# Altium PCB CL-HC-M-V2.1gerber.PcbDoc (part 14 of 18) (continued)
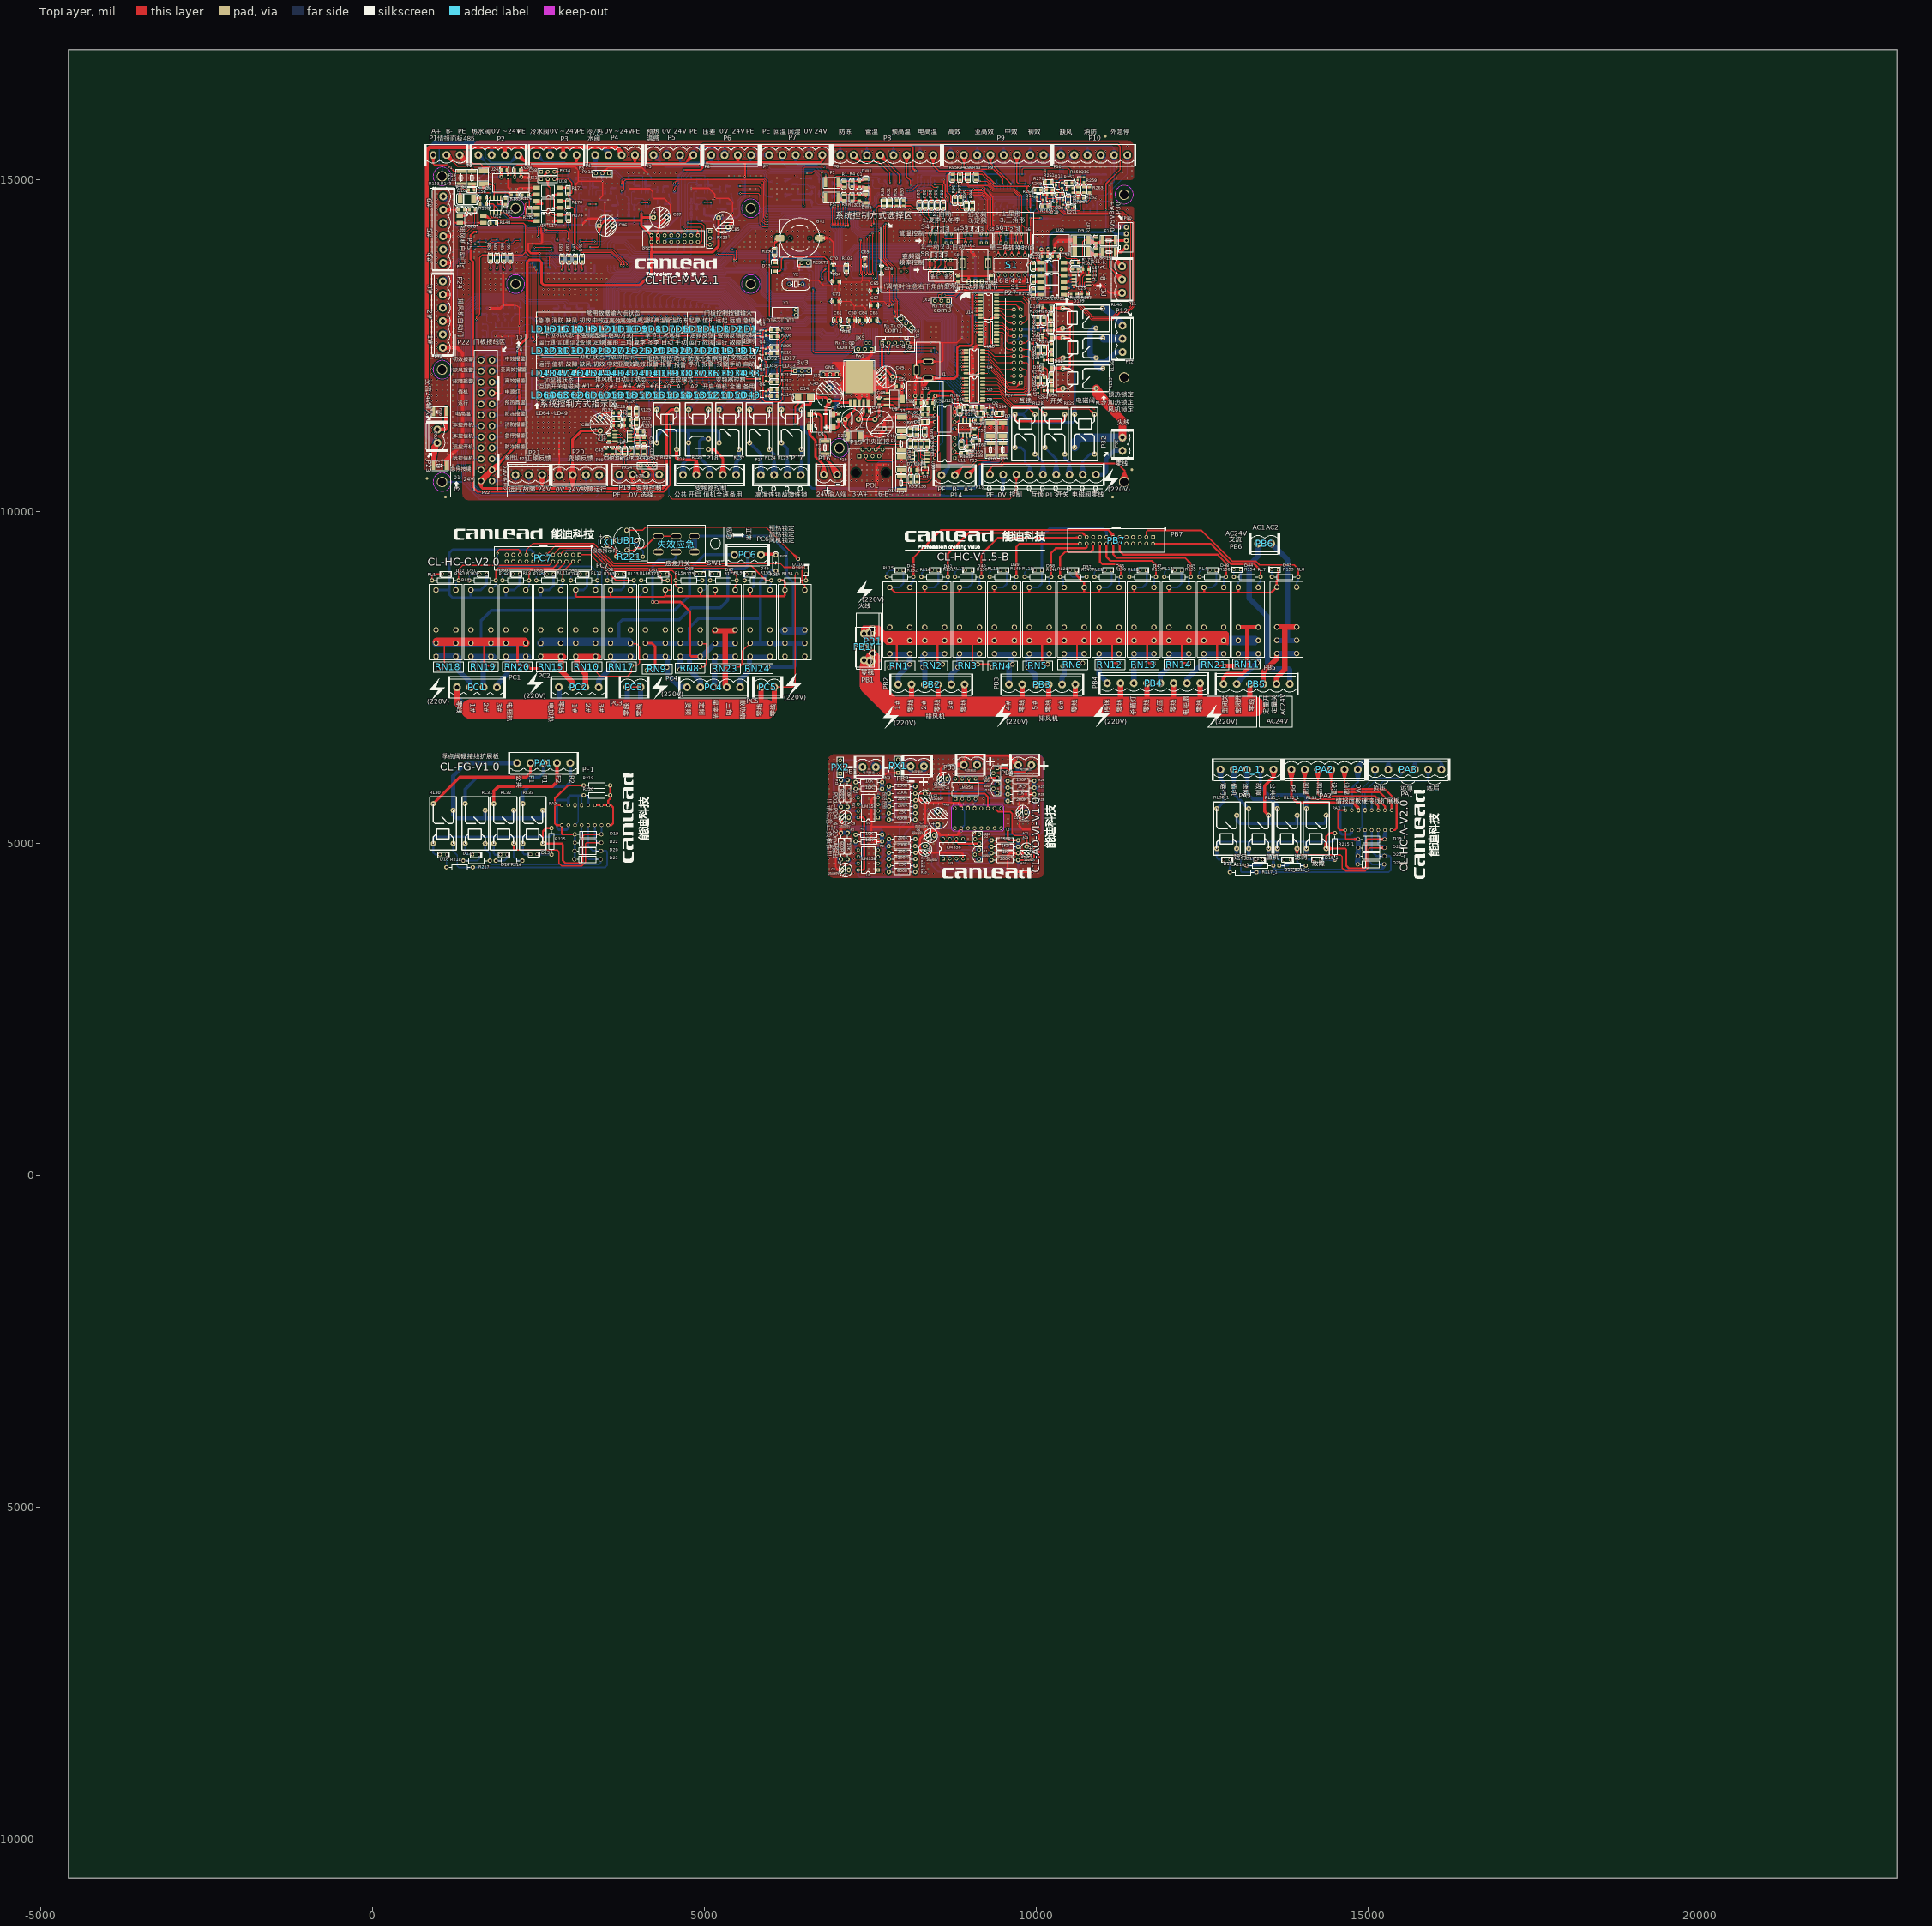
[diagram p0: TopLayer view]
## Nets (pads, with @x,y where several pads share a name; then routed paths per layer and width w, separated by ;. In a path a pad name is that pad's centre, name@x,y a point inside that pad or via, vN(x,y) a via of type N, cw(c..) or ccw(c..) an arc to the next point about the centre after c; other vN are vias at no path point) (continued)
  BottomLayer w25: Q4.3@9418.14,5989.36 9468.14,5989.36 ; Q4.3@9421.2,5972.13 9468.14,5989.36 ; Q4.3@9421.2,6006.59 9468.14,5989.36 ; R26.2@9567.02,5919.72 9518.14,5939.36 ; R26.2@9567.02,5958.99 9518.14,5939.36 ; 9468.14,5989.36 9518.14,5939.36 ; 9518.14,5939.36 R26.2@9570.82,5939.36 9518.14,5939.36
NetQ5_2: Q5.2 R212.1 | length 118.7
  TopLayer w20: Q5.2@5928.65,11963.05 5960.85,11963.05 ; Q5.2@5929.63,11963.05 5960.85,11963.05 ; R212.1@6011.13,11950.98 5972.91,11950.98 5960.85,11963.05
NetQ6_2: Q6.2 R214.1 | length 314.9
  TopLayer w20: Q6.2@5928.65,11738.05 5930.72,11735.98 6006.13,11735.98 Q6.2@5929.63,11738.05 ; Q6.2@5931.13,11735.98 R214.1@6011.13,11735.98 Q6.2@5931.15,11738.01
NetQ13_1: Q13.1 R260.2 | length 5867.6
  TopLayer w10: R260.2@10020.87,12000.53 9973.38,12015.36 ; R260.2@10020.87,12030.19 9973.38,12015.36 ; R260.2@10023.13,12015.36 9973.38,12015.36 ; R260.2@10028.13,12015.36 9973.38,12015.36 ; Q13.1@10286,14910.91 10298.61,14864.89 Q13.1@10311.21,14910.91 ; Q13.1@10298.61,14912.6 10298.61,14855.09 10358.67,14795.02 10358.67,14589.59 10429.91,14518.36 11306.07,14518.36 11469.08,14355.35 11469.08,13087.33 11380.26,12998.5 11269.72,12998.5 11164.72,12893.5 10831.19,12893.5 10590.33,13134.36 10068.66,13134.36 9966.38,13032.07 9966.38,12022.36 9973.38,12015.36
NetQ13_2: Q13.2 R257.2 R261.1 | length 809.3
  TopLayer w15: R261.1@10224.57,14966.99 10344.92,14966.99 10347.18,14964.73 ; R261.1@10225.78,14954.55 10289.57,14966.99 R261.1@10225.78,14979.43 ; Q13.2@10388.52,14865.11 10357.95,14875.2 ; Q13.2@10388.52,14885.29 10357.95,14875.2 ; Q13.2@10390.14,14875.2 10357.95,14875.2 ; Q13.2@10391.12,14875.2 10357.95,14875.2 ; R257.2@10527.02,14958.04 10539.2,14982.76 ; R257.2@10539.2,14950.21 10539.2,14982.76 ; R257.2@10539.2,14955.21 10539.2,14982.76 ; R257.2@10551.37,14958.04 10539.2,14982.76 ; 10347.18,14964.73 10347.18,14973.34 10371.48,14997.64 10524.31,14997.64 10539.2,14982.76 ; 10347.18,14964.73 10347.18,14885.98 10357.95,14875.2
NetQ13_3: Q13.3 Q15.1 R257.1 | length 1422.2
  TopLayer w15: R257.1@10441.77,14943.86 10454.94,14880.2 ; Q15.1@10444.75,14842.7 10454.94,14904.58 Q15.1@10465.12,14842.7 ; R257.1@10451.84,14957.48 Q13.3@10392.95,14939.82 ; R257.1@10451.92,14942.91 Q13.3@10392.95,14960.19 ; R257.1@10452.9,14962.64 Q13.3@10392.11,14950.01 ; R257.1@10452.92,14962.64 Q13.3@10391.13,14950.01 ; R257.1@10453.94,14967.7 Q13.3@10392.95,14960.19 ; R257.1@10454.02,14932.71 Q13.3@10392.95,14939.82 ; R257.1@10454.2,14955.21 Q13.3@10392.95,14960.19 ; Q15.1@10454.94,14841.87 10454.94,14949.46 R257.1@10454.2,14950.21 ; R257.1@10466.65,14944.15 10454.94,14880.2 ; Q13.3@10391.13,14950.01 R257.1@10454,14950.01 ; Q13.3@10391.13,14950.01 10453,14937.76 Q13.3@10392.11,14950.01 ; Q13.3@10391.13,14950.01 R257.1@10454.2,14950.21 ; Q13.3@10392.11,14950.01 R257.1@10454,14950.01 ; Q13.3@10392.11,14950.01 R257.1@10454.2,14950.21 ; Q13.3@10392.95,14939.82 R257.1@10454,14950.01 ; Q13.3@10392.95,14939.82 10454.2,14945.21 10454.94,14880.2 ; Q13.3@10392.95,14960.19 R257.1@10454,14950.01 ; R257.1@10454,14950.01 R257.1@10454.2,14950.21
NetQ15_2: Q15.2 R258.2 R262.1 | length 1838.1
  TopLayer w15: Q15.2@10547.46,14804.47 R258.2@10627.16,14804.47 10627.16,14719.97 R262.1@10625.95,14718.75 ; Q15.2@10547.57,14794.29 R258.2@10610.69,14794.03 ; Q15.2@10547.57,14814.65 R258.2@10610.69,14814.91 ; Q15.2@10550.94,14794.56 R258.2@10610.69,14814.91 ; Q15.2@10550.94,14814.37 R258.2@10610.69,14794.03 ; R262.1@10613.45,14723.31 R258.2@10617.35,14789.76 ; R262.1@10613.53,14725.19 R258.2@10627.16,14788.77 ; R262.1@10613.87,14726.97 R258.2@10636.76,14788.67 ; R258.2@10614.72,14803.26 10627.16,14739.47 R258.2@10639.6,14803.26 ; R258.2@10620.96,14792.02 Q15.2@10557.16,14804.47 ; R258.2@10620.96,14816.91 Q15.2@10557.16,14804.47 ; R258.2@10622.16,14804.47 Q15.2@10557.16,14804.47 ; R262.1@10638.14,14726.52 R258.2@10617.35,14789.76 ; R262.1@10638.42,14722.88 R258.2@10636.76,14788.67 ; R262.1@10638.41,14724.72 R258.2@10627.16,14788.77 ; Q15.2@10548.44,14804.47 R258.2@10611.16,14804.47 ; Q15.2@10548.44,14804.47 R258.2@10610.69,14814.91 ; Q15.2@10548.44,14804.47 R258.2@10611.16,14804.47 ; Q15.2@10548.44,14804.47 R258.2@10610.69,14794.03 ; R258.2@10611.16,14804.47 10549.27,14814.65 R258.2@10611.16,14804.47 ; R258.2@10611.16,14804.47 10549.27,14794.28 R258.2@10611.16,14804.47 ; R258.2@10617.35,14789.76 R262.1@10625.95,14723.75 ; R262.1@10625.95,14723.75 R258.2@10627.16,14788.77 ; R262.1@10625.95,14723.75 R258.2@10636.76,14788.67
NetQ15_3: Q15.3 Q16.1 R258.1 | length 697.4
  TopLayer w15: Q15.3@10547.46,14879.27 10581.1,14879.27 ; Q15.3@10548.44,14879.27 10581.1,14879.27 ; Q15.3@10550.04,14869.18 10581.1,14879.27 ; Q15.3@10550.04,14889.36 10581.1,14879.27 ; R258.1@10614.68,14890.23 10624.86,14954.56 ; Q16.1@10614.68,14997.68 10624.86,14935.79 Q16.1@10635.05,14997.68 ; R258.1@10618.46,14877.52 10593.59,14891.76 ; R258.1@10620.42,14901.84 10593.59,14891.76 ; R258.1@10622.16,14889.47 10593.59,14891.76 ; Q16.1@10624.86,14998.51 R258.1@10624.86,14891.76 ; R258.1@10639.55,14891.1 10624.86,14954.56 ; 10581.1,14879.27 10593.59,14891.76 ; 10593.59,14891.76 R258.1@10624.86,14891.76 ; R258.1@10624.86,14891.76 R258.1@10627.16,14889.47 10624.86,14954.56
NetQ16_2: Q16.2 R259.2 R263.1 | length 1771
  TopLayer w15: R259.2@10704.94,14891.55 10717.38,14955.35 R259.2@10729.83,14891.55 ; Q16.2@10706.21,14961.91 R259.2@10706.4,14899.04 ; Q16.2@10707.2,14960.27 10717.38,14898.39 Q16.2@10727.57,14960.27 ; Q16.2@10708.45,14958.67 R259.2@10728.37,14899.04 ; Q16.2@10716.4,14961.11 R259.2@10706.4,14899.04 ; Q16.2@10717.38,14961.11 R259.2@10717.38,14890.35 10803.5,14890.35 R263.1@10804.7,14891.55 ; Q16.2@10718.37,14961.11 R259.2@10728.37,14899.04 ; R259.2@10722.38,14890.35 R263.1@10787.38,14890.35 ; R259.2@10723.58,14877.91 R263.1@10787.38,14890.35 ; R259.2@10723.58,14902.79 R263.1@10787.38,14890.35 ; Q16.2@10726.32,14958.67 R259.2@10706.4,14899.04 ; Q16.2@10728.55,14961.91 R259.2@10728.37,14899.04 ; R263.1@10796.36,14903.59 R259.2@10735.11,14880.16 ; R263.1@10796.8,14879.39 R259.2@10734.39,14900.69 ; R263.1@10800.25,14904.03 R259.2@10734.39,14900.69 ; R263.1@10800.68,14879.08 R259.2@10735.11,14880.16 ; R259.2@10734.39,14900.69 R263.1@10799.7,14891.55 ; R259.2@10734.65,14890.35 10798.72,14879.08 R259.2@10734.68,14890.35 ; R259.2@10734.65,14890.35 10798.27,14903.96 R259.2@10734.68,14890.35 ; R259.2@10734.65,14890.35 R263.1@10799.7,14891.55 ; R259.2@10734.68,14890.35 R263.1@10799.7,14891.55 ; R259.2@10735.11,14880.16 R263.1@10799.7,14891.55
NetQ17_2: Q17.2 R260.1 R275.2 | length 1793
  TopLayer w15: R260.1@10010.64,11929.95 Q17.2@10018.96,11865.74 ; R260.1@10015.69,11929.16 10028.13,11865.36 R260.1@10040.58,11929.16 ; Q17.2@10017.95,11859.59 10028.13,11921.48 Q17.2@10038.32,11859.59 ; R260.1@10020.79,11928.35 Q17.2@10037.3,11865.74 ; R260.1@10023.13,11930.36 Q17.2@10018.96,11865.74 ; Q17.2@10028.13,11858.76 R260.1@10028.13,11930.36 R275.2@10120.65,11930.36 ; R260.1@10032.53,11917.87 R275.2@10099.11,11920.91 ; R260.1@10032.53,11942.84 R275.2@10099.11,11939.81 ; R260.1@10035.47,11928.35 Q17.2@10018.96,11865.74 ; R260.1@10036.06,11918.2 R275.2@10099.11,11939.81 ; R260.1@10036.06,11942.51 R275.2@10099.11,11920.91 ; R260.1@10045.63,11929.95 Q17.2@10037.3,11865.74 ; R275.2@10114.45,11917.92 R260.1@10050.65,11930.36 ; R275.2@10114.45,11942.8 R260.1@10050.65,11930.36 ; R275.2@10115.65,11930.36 R260.1@10050.65,11930.36 ; R260.1@10033.13,11930.36 Q17.2@10037.3,11865.74 ; R260.1@10033.13,11930.36 R275.2@10098.13,11930.36 ; R260.1@10033.13,11930.36 R275.2@10099.11,11920.91 ; R260.1@10033.13,11930.36 R275.2@10099.11,11939.81 ; R260.1@10033.13,11930.36 R275.2@10098.13,11930.36 ; R275.2@10098.13,11930.36 10034.33,11942.8 R275.2@10098.13,11930.36 ; R275.2@10098.13,11930.36 10034.33,11917.92 R275.2@10098.13,11930.36
NetQ18_1: Q18.1 R283.1 | length 5418.5
  TopLayer w10: Q18.1@9998,14732.87 10010.61,14686.85 Q18.1@10023.21,14732.87 ; R283.1@10009.25,12924.07 10024.08,12971.82 R283.1@10038.91,12924.07 ; Q18.1@10010.61,14734.56 10010.61,14560.57 10044.79,14526.39 10210.52,14526.39 10265.26,14581.13 10310.57,14581.13 10413.34,14478.36 11289.51,14478.36 11429.08,14338.78 11429.08,13098.24 11373.35,13042.5 11253.44,13042.5 11141.39,12930.45 10866.58,12930.45 10622.68,13174.36 v1@10024.08,13174.36 ; v1@10016.61,13035.7 10024.08,12993.86 ; R283.1@10024.08,12921.82 v1(10024.08,13036.36) 10024.08,12993.86 ; v1(10024.08,13174.06) 10066.58,13174.36 ; v1@10024.69,13181.54 10066.58,13174.36 ; v1@10024.79,13166.6 10066.58,13174.36 ; v1@10031.55,13035.7 10024.08,12993.86
  BottomLayer w10: v1@10016.61,13037.02 10024.08,13078.86 v1@10031.55,13037.02 ; v1@10016.61,13173.4 10024.08,13131.56 v1@10031.55,13173.4 ; v1(10024.08,13036.36) v1(10024.08,13174.06)
NetQ18_2: Q18.2 R265.2 R269.1 | length 737.3
  TopLayer w15: R269.1@10069.14,14847.28 10066.93,14845.07 10066.93,14708.31 ; R265.2@10076.98,14606.63 10089.33,14645.64 ; R265.2@10089.33,14599.72 10089.33,14645.64 ; R265.2@10089.33,14604.72 10089.33,14645.64 ; Q18.2@10093,14695.78 10103.13,14659.43 ; Q18.2@10097.74,14687.94 10066.93,14708.31 ; R265.2@10101.68,14606.63 10089.33,14645.64 ; Q18.2@10103.85,14707.23 10066.93,14708.31 ; Q18.2@10113.25,14695.78 10103.13,14659.43 ; 10066.93,14708.31 10078.07,14697.16 ; 10066.93,14708.31 Q18.2@10102.14,14697.16 ; 10078.07,14697.16 Q18.2@10103.13,14697.16 10103.13,14659.43 ; 10078.07,14697.16 10099.97,14687.18 10078.07,14697.16 ; 10078.07,14697.16 10099.97,14707.15 10078.07,14697.16 ; 10078.07,14697.16 Q18.2@10102.14,14697.16 ; 10078.07,14697.16 Q18.2@10102.14,14697.16 ; 10089.33,14645.64 10103.13,14659.43
NetQ18_3: Q18.3 Q19.3 Q20.1 R265.1 R266.1 | length 1827.2
  TopLayer w15: Q18.3@10103.13,14771.97 10103.3,14772.13 Q19.3@10167.99,14772.13 10167.99,14730.63 ; Q18.3@10103.28,14782.15 Q19.3@10166.25,14782.17 ; Q18.3@10103.33,14761.78 Q19.3@10166.29,14762.09 ; Q18.3@10104.92,14782.15 Q19.3@10166.83,14772.13 ; Q18.3@10104.97,14761.79 Q19.3@10166.83,14772.13 ; Q18.3@10106.53,14781.89 Q19.3@10166.29,14762.09 ; Q18.3@10106.58,14762.05 Q19.3@10166.25,14782.17 ; Q19.3@10157.86,14769.86 10167.99,14730.63 ; R265.1@10161.83,14604.7 10167.99,14670.41 ; Q19.3@10167.16,14761.95 10105.27,14772.13 Q19.3@10167.16,14782.31 ; Q19.3@10167.99,14771.15 10167.99,14730.63 ; R265.1@10174.33,14599.72 10167.99,14606.06 10167.99,14730.63 ; R265.1@10174.33,14604.72 10167.99,14670.41 ; Q19.3@10178.13,14769.86 10167.99,14730.63 ; R265.1@10186.6,14607.09 10167.99,14670.41 ; Q20.1@10299.25,14660.74 10312.37,14722.44 ; R266.1@10300,14764.96 10312.37,14723.1 ; Q20.1@10309.38,14659.43 10312.37,14722.44 ; Q20.1@10312.37,14663.4 10312.37,14723.1 ; R266.1@10312.37,14766.75 10312.37,14723.1 ; R266.1@10312.37,14771.75 10312.37,14723.1 ; Q20.1@10319.59,14659.78 10312.37,14722.44 ; R266.1@10324.74,14764.96 10312.37,14723.1 ; Q18.3@10104.11,14771.97 Q19.3@10166.83,14772.13 ; Q18.3@10104.11,14771.97 Q19.3@10166.29,14762.09 ; Q18.3@10104.11,14771.97 Q19.3@10166.25,14782.17 ; 10167.99,14730.63 10175.91,14722.71 10311.98,14722.71 10312.37,14723.1
NetQ19_1: Q19.1 R268.1 | length 5976.4
  TopLayer w10: v1@9931.14,12524.73 9938.38,12566.62 ; v1@9938.38,12524.12 9938.38,13032.36 10060.38,13154.36 10608.85,13154.36 10850.76,12912.45 11158.22,12912.45 11262.27,13016.5 11372.8,13016.5 11449.08,13092.78 11449.08,14347.06 11297.79,14498.36 10421.63,14498.36 10318.85,14601.13 10227.49,14601.13 10209.33,14619.29 10209.33,14675.68 Q19.1@10205.39,14679.61 ; v1(9938.62,12524.12) 9938.38,12566.62 ; v1@9946.08,12524.82 9938.38,12566.62 ; R268.1@10013.31,12477.68 v1(10028.13,12524.12) ; v1@10020.66,12523.45 R268.1@10028.13,12481.62 ; v1@10020.82,12525.77 R268.1@10015.02,12483.04 ; v1@10021.21,12521.22 10041.24,12483.04 v1@10035.45,12525.77 ; R268.1@10028.13,12475.37 v1(10028.13,12524.12) ; v1@10035.05,12521.22 R268.1@10015.02,12483.04 ; v1@10035.6,12523.45 R268.1@10028.13,12481.62 ; R268.1@10042.95,12477.68 v1(10028.13,12524.12) ; Q19.1@10192.97,14675.92 10209.33,14630.66 ; Q19.1@10205.39,14678.63 10209.33,14630.66 ; Q19.1@10218.09,14677.98 10209.33,14630.66 ; R268.1@10015.02,12483.04 v1(10028.13,12524.12) ; R268.1@10028.13,12481.62 v1(10028.13,12524.12)
  BottomLayer w10: v1(9938.62,12524.12) v1(10028.13,12524.12) 9985.63,12524.12 ; v1@9939.28,12516.64 9981.12,12524.12 v1@9939.28,12531.59 ; v1@10027.47,12516.64 9985.63,12524.12 ; v1@10027.47,12531.59 9985.63,12524.12
NetQ19_2: Q19.2 R266.2 R270.1 | length 2122.5
  TopLayer w15: R270.1@10231.09,14841.08 Q19.2@10243.54,14777.28 ; Q19.2@10240.76,14781.16 v1(10214.84,14770.68) ; Q19.2@10241.1,14761.07 v1(10214.84,14770.68) ; Q19.2@10242.8,14771.15 v1(10214.84,14770.68) ; R270.1@10243.54,14842.28 Q19.2@10243.54,14777.28 ; R270.1@10243.54,14847.28 10243.54,14772.87 Q19.2@10242.8,14772.13 10241.35,14770.68 v1(10214.84,14770.68) ; R270.1@10250.45,14823.27 v1(10214.84,14770.68) ; Q19.2@10252.7,14775.64 R270.1@10232.22,14835.29 ; Q19.2@10252.95,14771.99 R270.1@10254.8,14835.04 ; R270.1@10255.98,14841.08 Q19.2@10243.54,14777.28 ; v1(10214.84,14770.68) 10241.91,14826.64 v1(10214.84,14770.68) ; v1(10214.84,14770.68) Q19.2@10232.62,14774.07 ; v1(10214.84,14770.68) 10232.62,14772.22 R270.1@10232.22,14835.29 ; v1(10214.84,14770.68) R270.1@10232.22,14835.29 ; v1(10214.84,14770.68) Q19.2@10232.62,14774.07 ; v1(10214.84,14770.68) 10232.96,14775.87 R270.1@10254.8,14835.04 ; R270.1@10232.22,14835.29 Q19.2@10242.8,14773.12 ; Q19.2@10232.62,14774.07 R270.1@10243.54,14835.84 ; Q19.2@10232.62,14774.07 R270.1@10243.54,14835.84 ; Q19.2@10242.8,14773.12 R270.1@10243.54,14835.84 ; Q19.2@10242.8,14773.12 R270.1@10243.54,14835.84 ; Q19.2@10242.8,14773.12 R270.1@10254.8,14835.04 ; R270.1@10243.54,14835.84 10252.99,14773.83 R270.1@10243.54,14835.84 ; v1(10385.9,14827.51) 10397.37,14816.04 ; v1(10385.9,14827.51) R266.2@10397.37,14771.75 10397.37,14816.04 ; v1(10385.9,14827.51) 10385.03,14778.73 10397.37,14816.04 ; v1(10385.9,14827.51) 10397.37,14776.75 10397.37,14816.04 ; v1(10385.9,14827.51) 10409.71,14778.73 10397.37,14816.04
  BottomLayer w15: v1(10214.84,14770.68) 10374.56,14770.68 10385.9,14782.03 ; 10385.9,14782.03 v1(10385.9,14827.51) 10385.9,14782.03
NetQ20_2: Q20.2 R267.2 R271.1 | length 665.9
  TopLayer w15: Q20.2@10400.92,14622.03 10484.94,14622.03 10485.16,14622.25 ; Q20.2@10401.9,14622.03 10464.62,14622.03 ; Q20.2@10402.74,14611.85 10464.62,14622.03 ; Q20.2@10402.74,14632.21 10464.62,14622.03 ; R267.2@10471.41,14656.44 10485.16,14622.25 ; R267.2@10471.69,14662.76 10485.16,14685.16 ; R271.1@10472.87,14590.4 10485.16,14622.25 ; R271.1@10485.16,14583.11 10485.16,14622.25 ; R271.1@10485.16,14588.11 10485.16,14622.25 ; R267.2@10495.92,14661.34 10485.16,14685.16 ; R267.2@10496.03,14657.46 10485.16,14622.25 ; R271.1@10497.45,14590.4 10485.16,14622.25 ; 10485.16,14622.25 10485.16,14685.16 ; 10485.16,14622.25 R267.2@10483.63,14659.07 10485.16,14685.16
NetQ21_2: Q21.2 R268.2 R276.2 | length 1793
  TopLayer w15: R268.2@10010.64,12389.97 Q21.2@10018.96,12325.75 ; R268.2@10015.69,12389.17 10028.13,12325.37 R268.2@10040.58,12389.17 ; Q21.2@10017.95,12319.61 10028.13,12381.49 Q21.2@10038.32,12319.61 ; R268.2@10020.79,12388.37 Q21.2@10037.3,12325.75 ; R268.2@10023.13,12390.37 Q21.2@10018.96,12325.75 ; Q21.2@10028.13,12318.77 R268.2@10028.13,12390.37 R276.2@10120.65,12390.37 ; R268.2@10032.53,12377.89 R276.2@10099.11,12380.92 ; R268.2@10032.53,12402.86 R276.2@10099.11,12399.82 ; R268.2@10035.47,12388.37 Q21.2@10018.96,12325.75 ; R268.2@10036.06,12378.22 R276.2@10099.11,12399.82 ; R268.2@10036.06,12402.52 R276.2@10099.11,12380.92 ; R268.2@10045.63,12389.97 Q21.2@10037.3,12325.75 ; R276.2@10114.45,12377.93 R268.2@10050.65,12390.37 ; R276.2@10114.45,12402.81 R268.2@10050.65,12390.37 ; R276.2@10115.65,12390.37 R268.2@10050.65,12390.37 ; R268.2@10033.13,12390.37 Q21.2@10037.3,12325.75 ; R268.2@10033.13,12390.37 R276.2@10098.13,12390.37 ; R268.2@10033.13,12390.37 R276.2@10099.11,12380.92 ; R268.2@10033.13,12390.37 R276.2@10099.11,12399.82 ; R268.2@10033.13,12390.37 R276.2@10098.13,12390.37 ; R276.2@10098.13,12390.37 10034.33,12402.81 R276.2@10098.13,12390.37 ; R276.2@10098.13,12390.37 10034.33,12377.93 R276.2@10098.13,12390.37
NetQ22_2: Q22.2 R283.2 R284.2 | length 1793
  TopLayer w15: R283.2@10006.58,12836.41 Q22.2@10014.91,12772.2 ; R283.2@10011.64,12835.62 10024.08,12771.82 R283.2@10036.52,12835.62 ; Q22.2@10013.89,12766.05 10024.08,12827.93 Q22.2@10034.26,12766.05 ; R283.2@10016.74,12834.81 Q22.2@10033.25,12772.2 ; R283.2@10019.08,12836.82 Q22.2@10014.91,12772.2 ; Q22.2@10024.08,12765.22 R283.2@10024.08,12836.82 R284.2@10116.6,12836.82 ; R283.2@10028.47,12824.33 R284.2@10095.06,12827.37 ; R283.2@10028.47,12849.3 R284.2@10095.06,12846.27 ; R283.2@10031.42,12834.81 Q22.2@10014.91,12772.2 ; R283.2@10032,12824.66 R284.2@10095.06,12846.27 ; R283.2@10032,12848.97 R284.2@10095.06,12827.37 ; R283.2@10041.57,12836.41 Q22.2@10033.25,12772.2 ; R284.2@10110.4,12824.38 R283.2@10046.6,12836.82 ; R284.2@10110.4,12849.26 R283.2@10046.6,12836.82 ; R284.2@10111.6,12836.82 R283.2@10046.6,12836.82 ; R283.2@10029.08,12836.82 Q22.2@10033.25,12772.2 ; R283.2@10029.08,12836.82 R284.2@10094.08,12836.82 ; R283.2@10029.08,12836.82 R284.2@10095.06,12827.37 ; R283.2@10029.08,12836.82 R284.2@10095.06,12846.27 ; R283.2@10029.08,12836.82 R284.2@10094.08,12836.82 ; R284.2@10094.08,12836.82 10030.28,12849.26 R284.2@10094.08,12836.82 ; R284.2@10094.08,12836.82 10030.28,12824.38 R284.2@10094.08,12836.82
NetR1_2: R1.2@7778.14,4959.36 R5.1@7780.05,5065.5 U1.3@7617.03,4799.36 | length 2059.1
  BottomLayer w30: U1.3@7617.03,4799.36 7668.14,4799.36 7698.14,4829.36 7698.14,4919.36 ; R1.2@7760.68,4958.23 R5.1@7762.61,5064.03 ; R1.2@7760.73,4961.11 R5.1@7780.05,5065.5 ; R1.2@7761.25,4963.94 R5.1@7797.49,5064.03 ; R1.2@7768.82,4974.17 7698.14,4919.36 ; R1.2@7784.4,4943.01 7698.14,4919.36 ; R1.2@7795.18,4963.35 R5.1@7762.61,5064.03 ; R1.2@7795.55,4957.6 R5.1@7797.49,5064.03 ; R1.2@7795.6,4960.49 R5.1@7780.05,5065.5 ; 7698.14,4919.36 7738.14,4959.36 ; 7698.14,4919.36 R1.2@7778.14,4959.36 ; 7738.14,4959.36 R1.2@7778.14,4959.36 ; 7738.14,4959.36 7774.31,4942.28 7738.14,4959.36 ; 7738.14,4959.36 7774.31,4976.43 7738.14,4959.36 ; 7738.14,4959.36 R1.2@7778.14,4959.36 ; 7738.14,4959.36 R1.2@7778.14,4959.36 ; R5.1@7762.61,5064.03 R1.2@7780.05,4961.27 ; R5.1@7762.61,5064.03 R1.2@7778.14,4959.36 ; R1.2@7778.14,4959.36 R1.2@7780.05,4961.27 ; R1.2@7778.14,4959.36 R5.1@7780.05,5065.5 ; R1.2@7778.14,4959.36 R5.1@7797.49,5064.03 ; R1.2@7780.05,4961.27 R5.1@7780.05,5065.5 ; R1.2@7780.05,4961.27 R5.1@7797.49,5064.03
NetR2_2: R2.2@7277.03,5030.61 U1.5@7317.03,4899.36 | length 330.3
  BottomLayer w30: R2.2@7259.61,5028.93 7277.03,4939.36 ; R2.2@7277.03,5030.61 7277.03,4939.36 ; R2.2@7294.45,5028.93 7277.03,4939.36 ; U1.5@7317.03,4899.36 7277.03,4939.36
NetR3_2: R3.2@7278.6,5130.61 U1.6@7317.03,4799.36 | length 666.8
  BottomLayer w30: R3.2@7278.6,5130.61 7365.51,5130.61 ; R3.2@7280.36,5113.2 7365.51,5130.61 ; R3.2@7280.36,5148.02 7365.51,5130.61 ; U1.6@7317.03,4799.36 7369.75,4799.36 7394.26,4823.87 7394.26,5101.86 7365.51,5130.61
NetR4_2: R4.2@7780.58,4859.72 R6.1@7780.05,4765.5 U1.2@7617.03,4699.36 | length 1859.8
  BottomLayer w30: U1.2@7617.03,4699.36 7659.51,4699.36 7725.65,4765.5 ; R6.1@7762.62,4763.97 R4.2@7763.15,4858.09 ; R6.1@7763.25,4770.41 R4.2@7798,4858.09 ; R6.1@7777.24,4748.23 7725.65,4765.5 ; R6.1@7777.24,4782.77 7725.65,4765.5 ; R6.1@7796.9,4770.23 R4.2@7763.15,4858.09 ; R6.1@7797.47,4763.78 R4.2@7798,4858.09 ; 7725.65,4765.5 R6.1@7780.05,4765.5 ; 7725.65,4765.5 R6.1@7780.05,4765.5 ; R4.2@7763.15,4858.09 R6.1@7780.58,4766.03 ; R4.2@7763.15,4858.09 R6.1@7780.05,4765.5 ; R6.1@7780.05,4765.5 R6.1@7780.58,4766.03 ; R6.1@7780.05,4765.5 R4.2@7780.58,4859.72 ; R6.1@7780.05,4765.5 R4.2@7798,4858.09 ; R6.1@7780.05,4765.5 R4.2@7780.58,4859.72 ; R6.1@7780.58,4766.03 R4.2@7780.58,4859.72 ; R6.1@7780.58,4766.03 R4.2@7798,4858.09 ; R6.1@7780.58,4766.03 R4.2@7780.58,4859.72 ; R4.2@7780.58,4859.72 7762.64,4767.22 R4.2@7780.58,4859.72 ; R4.2@7780.58,4859.72 7797.48,4767.03 R4.2@7780.58,4859.72
NetR5_2: R5.2@8180.05,5065.5 R6.2@8180.05,4765.5 R8.2@8180.05,4665.5 R10.1@8178.66,4569.72 | length 1343.1
  BottomLayer w30: R10.1@8176.11,4552.41 8118.66,4569.72 ; R10.1@8176.11,4587.04 8118.66,4569.72 ; R6.2@8177.58,4748.18 8118.14,4765.5 ; R6.2@8177.58,4782.82 8118.14,4765.5 ; R5.2@8177.65,5048.17 8116.19,5065.5 ; R5.2@8177.65,5082.83 8116.19,5065.5 ; R8.2@8178.18,4648.1 8098.14,4665.5 ; R8.2@8178.18,4682.9 8098.14,4665.5 ; R10.1@8178.66,4569.72 8118.66,4569.72 ; R8.2@8180.05,4665.5 8098.14,4665.5 ; R6.2@8180.05,4765.5 8118.14,4765.5 ; R5.2@8180.05,5065.5 8116.19,5065.5 ; 8098.14,4665.5 8098.14,4590.25 8118.66,4569.72 ; 8098.14,4665.5 8098.14,4785.5 ; 8098.14,4785.5 8098.14,5047.45 8116.19,5065.5 ; 8098.14,4785.5 8118.14,4765.5
NetR7_1: R7.1@7158.14,4759.88 U1.7@7317.03,4699.36 | length 355.1
  BottomLayer w30: R7.1@7147.09,4746.31 7218.66,4699.36 ; R7.1@7158.14,4759.88 7218.66,4699.36 ; R7.1@7171.71,4770.93 7218.66,4699.36 ; U1.7@7317.03,4699.36 7218.66,4699.36
NetR8_1: R8.1@7780.05,4665.5 U1.1@7617.03,4599.36 | length 190.4
  BottomLayer w30: U1.1@7617.03,4599.36 7713.91,4599.36 R8.1@7780.05,4665.5
NetR11_2: R11.2@7778.66,5749.72 R15.1@7779.53,5855.13 U2.3@7617.03,5589.36 | length 1743.9
  BottomLayer w25: U2.3@7617.03,5589.36 7663.63,5589.36 7688.68,5614.4 7688.68,5722.68 7715.72,5749.72 ; R15.1@7759.6,5853.4 R11.2@7778.66,5749.72 ; R15.1@7759.62,5853.22 R11.2@7779.53,5750.59 ; R15.1@7759.63,5857.19 R11.2@7758.77,5751.78 ; R15.1@7760.29,5849.67 R11.2@7798.59,5751.46 ; R11.2@7775.49,5729.98 7715.72,5749.72 ; R11.2@7775.49,5769.47 7715.72,5749.72 ; R15.1@7798.67,5849.35 R11.2@7758.77,5751.78 ; R15.1@7799.42,5853.07 R11.2@7778.66,5749.72 ; R15.1@7799.43,5853.22 R11.2@7779.53,5750.59 ; R15.1@7799.45,5856.87 R11.2@7798.59,5751.46 ; 7715.72,5749.72 R11.2@7778.66,5749.72 ; 7715.72,5749.72 R11.2@7778.66,5749.72 ; R11.2@7758.77,5751.78 R15.1@7779.53,5855.13 ; R11.2@7778.66,5749.72 R11.2@7779.53,5750.59 ; R11.2@7778.66,5749.72 R15.1@7779.53,5855.13 ; R11.2@7779.53,5750.59 R15.1@7779.53,5855.13 ; R15.1@7779.53,5855.13 R11.2@7798.59,5751.46
NetR12_2: R12.2@7277.03,5820.61 U2.5@7317.03,5689.36 | length 330.3
  BottomLayer w30: R12.2@7259.61,5818.93 7277.03,5729.36 ; R12.2@7277.03,5820.61 7277.03,5729.36 ; R12.2@7294.45,5818.93 7277.03,5729.36 ; U2.5@7317.03,5689.36 7277.03,5729.36
NetR13_2: R13.2@7278.6,5920.61 U2.6@7317.03,5589.36 | length 719.5
  BottomLayer w30: R13.2@7278.6,5920.61 7365.51,5920.61 ; R13.2@7280.36,5903.2 7365.51,5920.61 ; R13.2@7280.36,5938.02 7365.51,5920.61 ; 7365.51,5920.61 7394.26,5891.86 7394.26,5613.87 7369.75,5589.36 ; 7369.75,5589.36 U2.6@7317.03,5589.36 7369.75,5589.36
NetR14_2: R14.2@7780.58,5649.72 R16.1@7780.05,5555.5 U2.2@7617.03,5489.36 | length 1483.5
  BottomLayer w30: U2.2@7617.03,5489.36 7659.51,5489.36 7725.65,5555.5 ; R14.2@7763.15,5648.09 R16.1@7780.58,5556.03 ; R14.2@7763.14,5648.2 R16.1@7780.05,5555.5 ; R14.2@7763.16,5651.45 R16.1@7762.64,5557.22 ; R14.2@7763.73,5645 R16.1@7797.48,5557.03 ; R16.1@7777.24,5538.23 7725.65,5555.5 ; R16.1@7777.24,5572.77 7725.65,5555.5 ; R14.2@7797.37,5644.81 R16.1@7762.64,5557.22 ; R14.2@7797.99,5648 R16.1@7780.05,5555.5 ; R14.2@7798,5648.09 R16.1@7780.58,5556.03 ; R14.2@7798.01,5651.25 R16.1@7797.48,5557.03 ; 7725.65,5555.5 R16.1@7780.05,5555.5 ; 7725.65,5555.5 R16.1@7780.05,5555.5 ; R16.1@7762.64,5557.22 R14.2@7780.58,5649.72 ; R16.1@7780.05,5555.5 R16.1@7780.58,5556.03 ; R16.1@7780.05,5555.5 R14.2@7780.58,5649.72 ; R16.1@7780.58,5556.03 R14.2@7780.58,5649.72 ; R14.2@7780.58,5649.72 R16.1@7797.48,5557.03
NetR15_2: R15.2@8179.53,5855.13 R16.2@8180.05,5555.5 R18.2@8179.53,5455.13 R20.1@8178.66,5359.72 | length 1607.6
  BottomLayer w30: R20.1@8176.11,5342.41 8118.66,5359.72 ; R20.1@8176.11,5377.04 8118.66,5359.72 ; R15.2@8177.01,5837.82 8116.19,5855.5 ; R15.2@8177.21,5872.48 8116.19,5855.5 ; R18.2@8177.57,5437.74 8098.14,5455.5 ; R16.2@8177.58,5538.18 8118.14,5555.5 ; R16.2@8177.58,5572.82 8118.14,5555.5 ; R18.2@8177.72,5472.54 8098.14,5455.5 ; R18.2@8179.53,5455.13 8098.14,5455.5 ; R15.2@8179.53,5855.13 8116.19,5855.5 ; R18.2@8180.05,5455.5 8098.14,5455.5 ; R15.2@8180.05,5855.5 8116.19,5855.5 ; 8098.14,5455.5 8098.14,5575.5 ; 8098.14,5455.5 8098.14,5380.25 8118.66,5359.72 ; 8098.14,5575.5 8118.14,5555.5 ; 8098.14,5575.5 8098.14,5837.45 8116.19,5855.5 ; 8118.14,5555.5 R16.2@8180.05,5555.5 8118.14,5555.5 ; 8118.66,5359.72 R20.1@8178.66,5359.72 8118.66,5359.72
NetR17_1: R17.1@7158.14,5549.88 U2.7@7317.03,5489.36 | length 539.1
  BottomLayer w30: R17.1@7147.09,5536.31 7218.66,5489.36 ; R17.1@7171.71,5560.93 7218.66,5489.36 ; 7218.66,5489.36 R17.1@7158.14,5549.88 7218.66,5489.36 ; 7218.66,5489.36 U2.7@7317.03,5489.36 7218.66,5489.36
NetR18_1: R18.1@7779.53,5455.13 U2.1@7617.03,5389.36 | length 287.3
  BottomLayer w30: R18.1@7780.05,5455.5 7713.91,5389.36 ; 7713.91,5389.36 U2.1@7617.03,5389.36 7713.91,5389.36
NetR21_2: R21.2@9328.14,4749.36 U3.3@8798.14,4768.99 | length 924.6
  BottomLayer w25: R21.2@9312.14,4761.36 9278.14,4699.36 ; R21.2@9340.14,4733.36 9278.14,4699.36 ; 8798.14,4734.35 8833.13,4699.36 ; 8798.14,4734.35 U3.3@8798.14,4768.99 ; 8798.14,4734.35 U3.3@8798.14,4768.99 ; U3.3@8798.14,4768.99 8833.13,4699.36 ; 8833.13,4699.36 9278.14,4699.36 ; 9278.14,4699.36 R21.2@9328.14,4749.36 9278.14,4699.36
NetR25_2: R25.2@9570.82,5639.36 U4.3@8985.07,5669.36 | length 879.9
  BottomLayer w30: U4.3@8985.07,5669.36 8985.07,5716.29 9008.14,5739.36 9230.94,5739.36 9290.94,5679.36 9518.14,5679.36 ; R25.2@9558.48,5626.94 9518.14,5679.36 ; R25.2@9568.66,5639.36 9558.14,5639.36 9518.14,5679.36 ; R25.2@9570.82,5639.36 9518.14,5679.36 ; R25.2@9579.46,5654.57 9518.14,5679.36
NetR119_1: R119.1 U1.1@3267.74,14773.68 | length 705.5
  BottomLayer w15: R119.1@3055.25,14995.93 3063.51,15039.36 ; R119.1@3067.74,14990.36 3063.51,14994.59 3063.51,15039.36 ; R119.1@3067.74,14995.36 3063.51,15039.36 ; R119.1@3079.89,14998.3 3063.51,15039.36 ; U1.1@3267.74,14773.68 3267.74,14839.44 ; U1.1@3267.74,14801.68 3267.74,14839.44 ; 3063.51,15039.36 3068.82,15044.68 3262.68,15044.68 3279.66,15027.69 3279.66,14851.36 3267.74,14839.44
NetR120_1: R120.1 U1.7@3317.74,14553.68 | length 472.3
  BottomLayer w15: R120.1@3152.74,14700.17 3273.12,14700.17 3317.74,14655.54 U1.7@3317.74,14553.68 ; R120.1@3153.94,14687.73 3217.74,14700.17 R120.1@3153.94,14712.61 ; U1.7@3317.74,14581.68 3317.74,14638.68
NetR121_1: R121.1 U5.1 | length 705.5
  BottomLayer w15: R121.1@3848.67,15016.79 3856.92,15060.22 ; R121.1@3861.15,15011.22 3856.92,15015.45 3856.92,15060.22 ; R121.1@3861.15,15016.22 3856.92,15060.22 ; R121.1@3873.3,15019.16 3856.92,15060.22 ; U5.1@4061.15,14794.54 4061.15,14860.3 ; U5.1@4061.15,14822.54 4061.15,14860.3 ; 3856.92,15060.22 3862.23,15065.54 4056.09,15065.54 4073.07,15048.55 4073.07,14872.22 4061.15,14860.3
NetR122_1: R122.1 U5.7 | length 472.3
  BottomLayer w15: R122.1@3946.15,14721.03 4066.53,14721.03 4111.15,14676.4 U5.7@4111.15,14574.54 ; R122.1@3947.36,14708.59 4011.15,14721.03 R122.1@3947.36,14733.47 ; U5.7@4111.15,14602.54 4111.15,14659.54
NetR139_1: R139.1 U6.1 | length 705.5
  BottomLayer w15: R139.1@4789.38,15021.5 4797.63,15064.94 ; R139.1@4801.86,15015.93 4797.63,15020.16 4797.63,15064.94 ; R139.1@4801.86,15020.93 4797.63,15064.94 ; R139.1@4814.01,15023.87 4797.63,15064.94 ; U6.1@5001.86,14799.25 5001.86,14865.01 ; U6.1@5001.86,14827.25 5001.86,14865.01 ; 4797.63,15064.94 4802.94,15070.25 4996.8,15070.25 5013.78,15053.26 5013.78,14876.93 5001.86,14865.01
NetR140_1: R140.1 U6.7 | length 472.3
  BottomLayer w15: R140.1@4886.86,14725.74 5007.24,14725.74 5051.86,14681.11 U6.7@5051.86,14579.25 ; R140.1@4888.07,14713.3 4951.86,14725.74 R140.1@4888.07,14738.18 ; U6.7@5051.86,14607.25 5051.86,14664.25
NetR141_1: R141.1 U7.1 | length 705.5
  TopLayer w15: U7.1@3874.97,11063.14 3940.73,11063.14 ; U7.1@3902.97,11063.14 3940.73,11063.14 ; R141.1@4091.65,10863.14 4095.88,10858.9 4140.66,10858.9 ; R141.1@4096.65,10863.14 4140.66,10858.9 ; R141.1@4097.22,10850.65 4140.66,10858.9 ; R141.1@4099.59,10875.29 4140.66,10858.9 ; 3940.73,11063.14 3952.65,11075.06 4128.98,11075.06 4145.97,11058.07 4145.97,10864.22 4140.66,10858.9
NetR142_1: R142.1 U7.7 | length 472.3
  TopLayer w15: U7.7@3654.97,11113.14 3756.84,11113.14 3801.46,11068.51 R142.1@3801.46,10948.14 ; U7.7@3682.97,11113.14 3739.97,11113.14 ; R142.1@3789.02,10949.34 3801.46,11013.14 R142.1@3813.9,10949.34